# KiCad board Lime_RFE.kicad_pcb (continued)
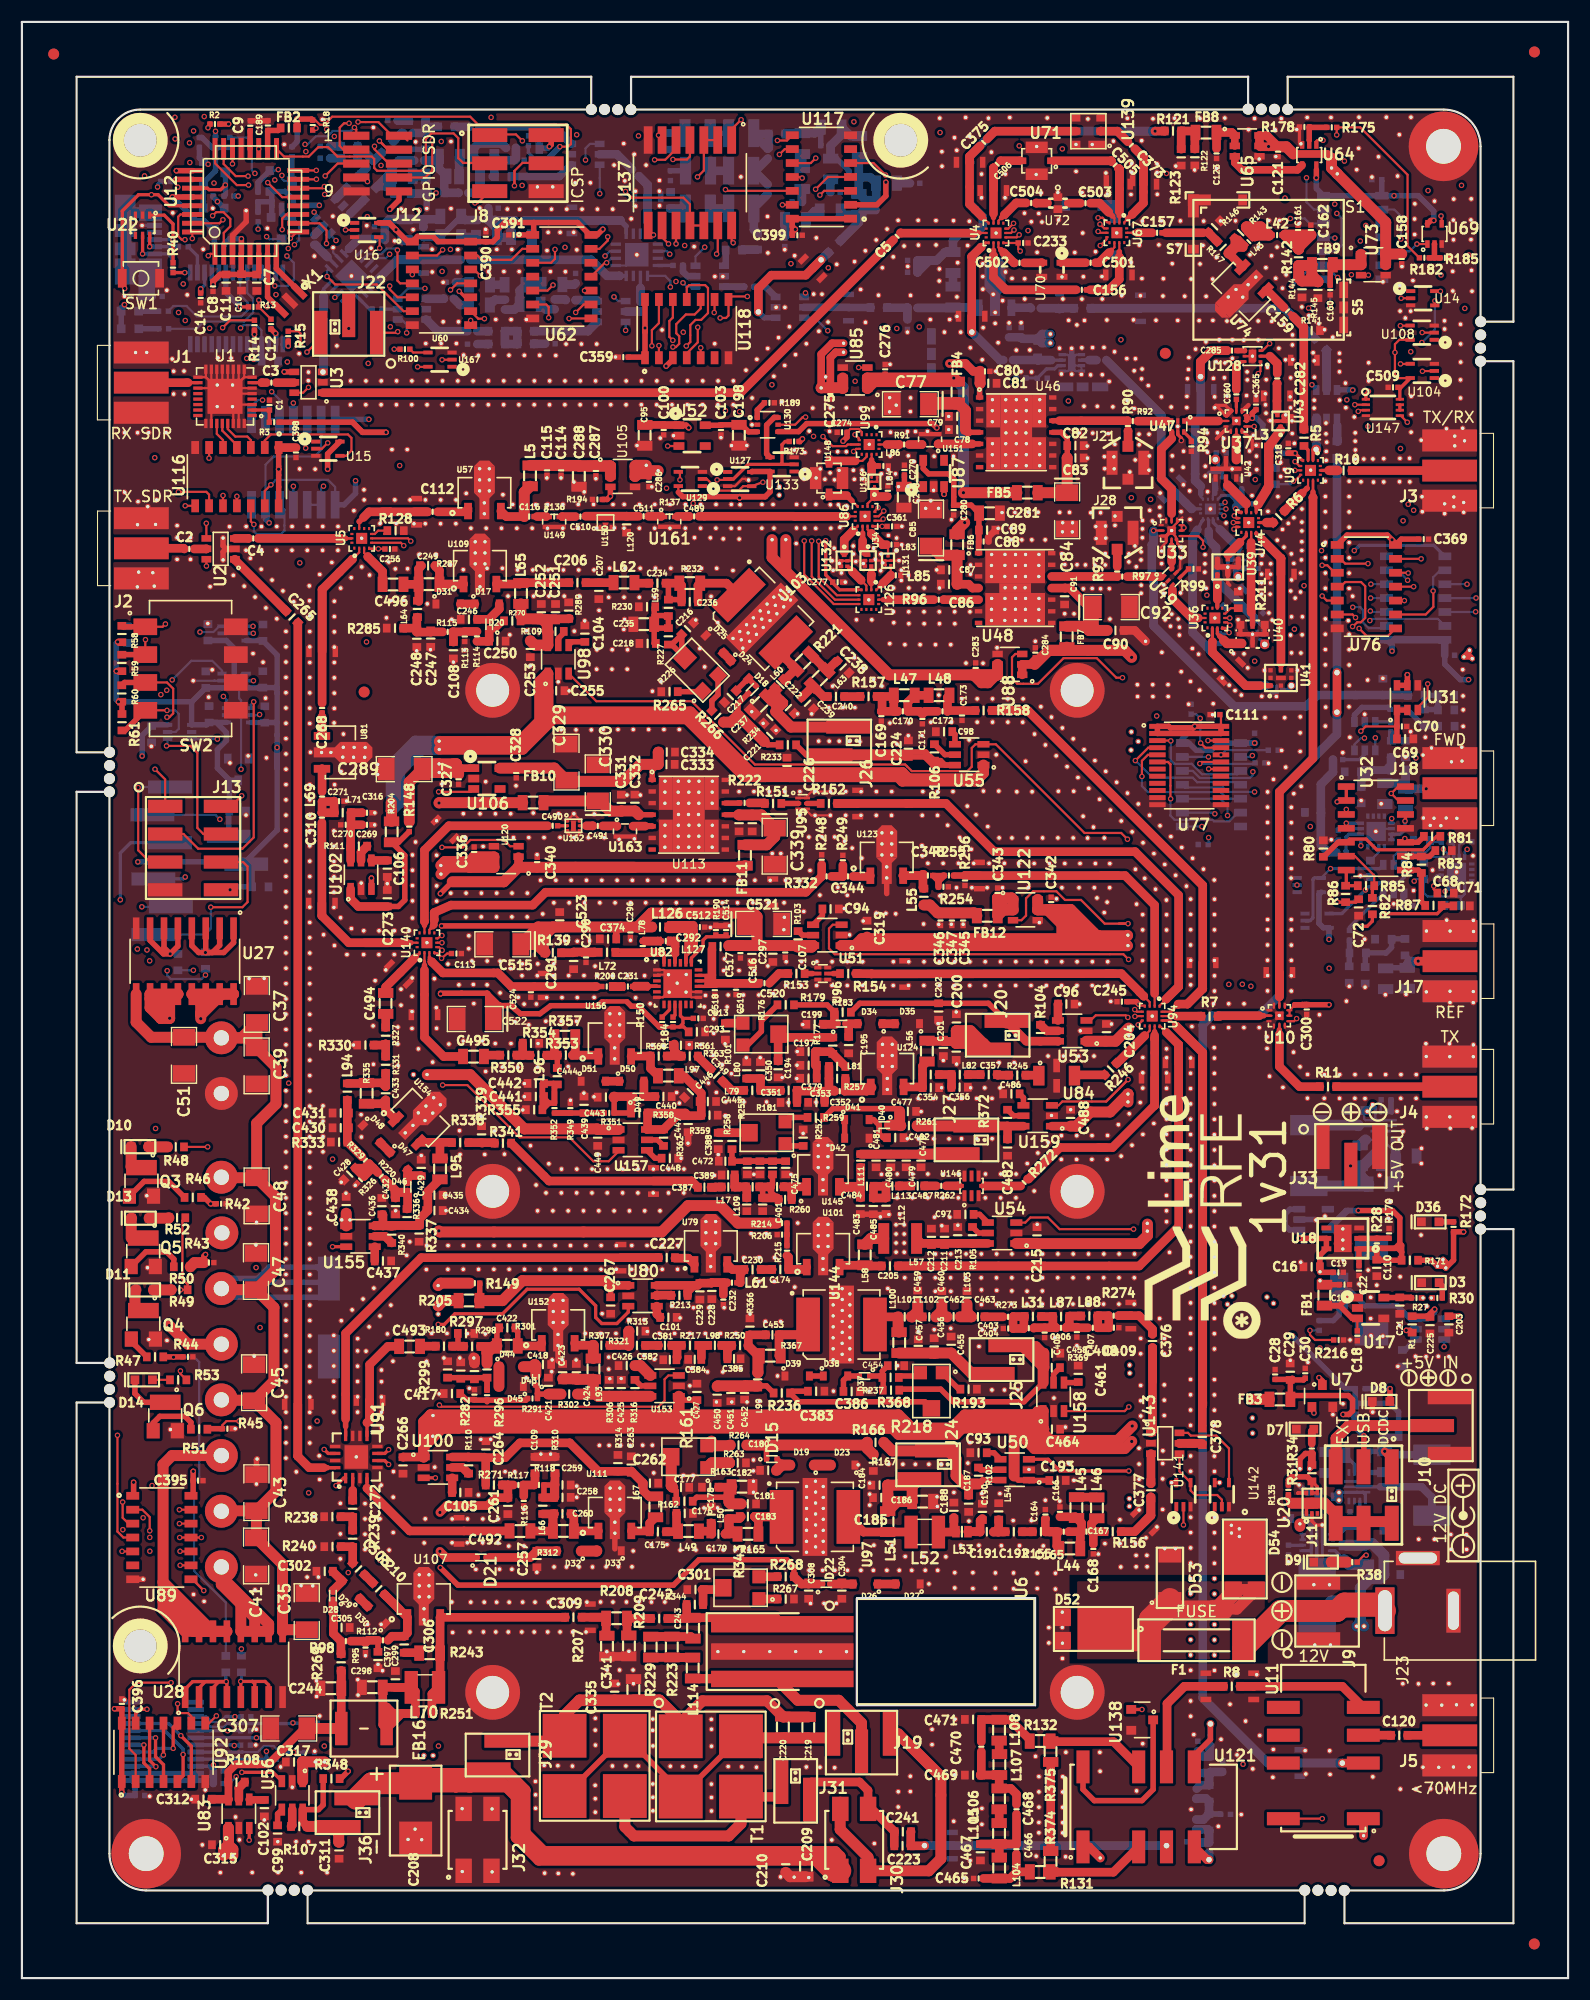
[diagram p0: board, top side]
## Placement (name value [footprint] x y rotation side) (continued)
GND_VIA#2137  VAL**  [GND_VIA]  66.45 60.6 90 top
GND_VIA#2138  VAL**  [GND_VIA]  63.38 52.57 90 top
GND_VIA#2139  VAL**  [GND_VIA]  64.77 52.57 90 top
GND_VIA#2140  VAL**  [GND_VIA]  66.17 52.57 90 top
GND_VIA#2141  VAL**  [GND_VIA]  67.3 52.63 90 top
GND_VIA#2142  VAL**  [GND_VIA]  60.95 54.05 90 top
GND_VIA#2143  VAL**  [GND_VIA]  63.96 55.32 90 top
GND_VIA#2144  VAL**  [GND_VIA]  62.56 55.32 90 top
GND_VIA#2145  VAL**  [GND_VIA]  53.65 54.7 90 top
GND_VIA#2146  VAL**  [GND_VIA]  54.68 54.71 90 top
GND_VIA#2147  VAL**  [GND_VIA]  68.95 54.95 180 top
GND_VIA#2148  VAL**  [GND_VIA]  81.79 59.01 90 top
GND_VIA#2149  VAL**  [GND_VIA]  69.24 59.92 90 top
GND_VIA#2150  VAL**  [GND_VIA]  67.84 59.92 90 top
GND_VIA#2151  VAL**  [GND_VIA]  83.95 68.65 90 top
GND_VIA#2152  VAL**  [GND_VIA]  83.28 69.44 90 top
GND_VIA#2153  VAL**  [GND_VIA]  84.68 69.44 90 top
GND_VIA#2154  VAL**  [GND_VIA]  78.34 69.47 90 top
GND_VIA#2155  VAL**  [GND_VIA]  80.09 69.69 90 top
GND_VIA#2156  VAL**  [GND_VIA]  79.12 69.68 90 top
GND_VIA#2157  VAL**  [GND_VIA]  67.93 67.93 90 top
GND_VIA#2158  VAL**  [GND_VIA]  66.53 67.93 90 top
GND_VIA#2159  VAL**  [GND_VIA]  70.8 68.9 90 top
GND_VIA#2160  VAL**  [GND_VIA]  82.14 113.39 0 top
GND_VIA#2161  VAL**  [GND_VIA]  80.89 113.38 0 top
GND_VIA#2162  VAL**  [GND_VIA]  54.99 123.99 90 top
GND_VIA#2163  VAL**  [GND_VIA]  54.92 123.07 90 top
GND_VIA#2164  VAL**  [GND_VIA]  52.67 124.81 90 top
GND_VIA#2165  VAL**  [GND_VIA]  74.33 34.19 90 top
GND_VIA#2166  VAL**  [GND_VIA]  73.2 34.2 90 top
GND_VIA#2167  VAL**  [GND_VIA]  71.97 34.19 90 top
GND_VIA#2168  VAL**  [GND_VIA]  41.42 37.29 90 top
GND_VIA#2169  VAL**  [GND_VIA]  44.72 37.31 90 top
GND_VIA#2170  VAL**  [GND_VIA]  43.59 37.31 90 top
GND_VIA#2171  VAL**  [GND_VIA]  83.51 43.93 180 top
GND_VIA#2172  VAL**  [GND_VIA]  83.54 43.04 180 top
GND_VIA#2173  VAL**  [GND_VIA]  78.44 73.34 90 top
GND_VIA#2174  VAL**  [GND_VIA]  64.18 78.71 90 top
GND_VIA#2175  VAL**  [GND_VIA]  83.48 128.51 90 top
GND_VIA#2176  VAL**  [GND_VIA]  80.29 130.8 90 top
GND_VIA#2177  VAL**  [GND_VIA]  80.3 132.48 90 top
GND_VIA#2178  VAL**  [GND_VIA]  83.64 134.12 90 top
GND_VIA#2179  VAL**  [GND_VIA]  82.47 134.12 90 top
GND_VIA#2180  VAL**  [GND_VIA]  81.76 134.8 90 top
GND_VIA#2181  VAL**  [GND_VIA]  82.94 134.8 90 top
GND_VIA#2182  VAL**  [GND_VIA]  84.83 133.08 90 top
GND_VIA#2183  VAL**  [GND_VIA]  89.44 133.74 90 top
GND_VIA#2184  VAL**  [GND_VIA]  90.62 133.75 90 top
GND_VIA#2185  VAL**  [GND_VIA]  90.26 132.31 90 top
GND_VIA#2186  VAL**  [GND_VIA]  89.09 132.3 90 top
GND_VIA#2187  VAL**  [GND_VIA]  95.16 124.51 90 top
GND_VIA#2188  VAL**  [GND_VIA]  99.29 124.02 90 top
GND_VIA#2189  VAL**  [GND_VIA]  86.15 120 0 top
GND_VIA#2190  VAL**  [GND_VIA]  92.48 121.99 0 top
GND_VIA#2191  VAL**  [GND_VIA]  88.99 121.4 0 top
GND_VIA#2192  VAL**  [GND_VIA]  97.21 139.8 0 top
GND_VIA#2193  VAL**  [GND_VIA]  97.23 138.7 0 top
GND_VIA#2194  VAL**  [GND_VIA]  98.03 131.37 0 top
GND_VIA#2195  VAL**  [GND_VIA]  98 132.47 0 top
GND_VIA#2196  VAL**  [GND_VIA]  99.65 138.83 0 top
GND_VIA#2197  VAL**  [GND_VIA]  99.67 137.73 0 top
GND_VIA#2198  VAL**  [GND_VIA]  57.54 117.43 90 top
GND_VIA#2199  VAL**  [GND_VIA]  58.33 118.31 90 top
GND_VIA#2200  VAL**  [GND_VIA]  55.21 107.96 0 top
GND_VIA#2201  VAL**  [GND_VIA]  56.43 107.96 0 top
GND_VIA#2202  VAL**  [GND_VIA]  51.97 113.91 90 top
GND_VIA#2203  VAL**  [GND_VIA]  50.57 113.91 90 top
GND_VIA#2204  VAL**  [GND_VIA]  49.22 113.91 90 top
GND_VIA#2205  VAL**  [GND_VIA]  45.09 108.8 90 top
GND_VIA#2206  VAL**  [GND_VIA]  42.32 109.18 90 top
GND_VIA#2207  VAL**  [GND_VIA]  38.32 108.97 90 top
GND_VIA#2208  VAL**  [GND_VIA]  49.93 117.46 90 top
GND_VIA#2209  VAL**  [GND_VIA]  73.01 104.15 90 top
GND_VIA#2210  VAL**  [GND_VIA]  75.77 103.12 90 top
GND_VIA#2211  VAL**  [GND_VIA]  85.89 96.17 90 top
GND_VIA#2212  VAL**  [GND_VIA]  84.81 96.17 90 top
GND_VIA#2213  VAL**  [GND_VIA]  83.67 96.16 90 top
GND_VIA#2214  VAL**  [GND_VIA]  82.29 96.19 90 top
GND_VIA#2215  VAL**  [GND_VIA]  75.05 97.6 90 top
GND_VIA#2216  VAL**  [GND_VIA]  75.53 95.2 90 top
GND_VIA#2217  VAL**  [GND_VIA]  69.53 95.67 90 top
GND_VIA#2218  VAL**  [GND_VIA]  84.09 83.74 90 top
GND_VIA#2219  VAL**  [GND_VIA]  85.3 83.41 90 top
GND_VIA#2220  VAL**  [GND_VIA]  85.27 88.16 90 top
GND_VIA#2221  VAL**  [GND_VIA]  83.6 87.1 90 top
GND_VIA#2222  VAL**  [GND_VIA]  85.73 80.27 90 top
GND_VIA#2223  VAL**  [GND_VIA]  87.13 80.27 90 top
GND_VIA#2224  VAL**  [GND_VIA]  88.52 80.27 90 top
GND_VIA#2225  VAL**  [GND_VIA]  84.59 80.26 90 top
GND_VIA#2226  VAL**  [GND_VIA]  83.19 80.26 90 top
GND_VIA#2227  VAL**  [GND_VIA]  81.79 80.26 90 top
GND_VIA#2228  VAL**  [GND_VIA]  83.92 81.25 90 top
GND_VIA#2229  VAL**  [GND_VIA]  86.57 81.24 90 top
GND_VIA#2230  VAL**  [GND_VIA]  82.06 79.07 90 top
GND_VIA#2231  VAL**  [GND_VIA]  80.8 76.6 90 top
GND_VIA#2232  VAL**  [GND_VIA]  99.36 89.13 90 top
GND_VIA#2233  VAL**  [GND_VIA]  96.51 88.89 90 top
GND_VIA#2234  VAL**  [GND_VIA]  90.55 83.55 90 top
GND_VIA#2235  VAL**  [GND_VIA]  89.15 83.55 90 top
GND_VIA#2236  VAL**  [GND_VIA]  87.86 81.23 90 top
GND_VIA#2237  VAL**  [GND_VIA]  89.26 81.23 90 top
GND_VIA#2238  VAL**  [GND_VIA]  92.65 68.78 90 top
GND_VIA#2239  VAL**  [GND_VIA]  85.41 68.7 90 top
GND_VIA#2240  VAL**  [GND_VIA]  57.07 59 90 top
GND_VIA#2241  VAL**  [GND_VIA]  59.34 61.33 90 top
GND_VIA#2242  VAL**  [GND_VIA]  60.06 60.24 90 top
GND_VIA#2243  VAL**  [GND_VIA]  45.82 42.76 90 top
GND_VIA#2244  VAL**  [GND_VIA]  45.82 39.42 90 top
GND_VIA#2245  VAL**  [GND_VIA]  44.43 39.42 90 top
GND_VIA#2246  VAL**  [GND_VIA]  31.55 32.28 90 top
GND_VIA#2247  VAL**  [GND_VIA]  32.79 32.28 90 top
GND_VIA#2248  VAL**  [GND_VIA]  39.3 31.54 90 top
GND_VIA#2249  VAL**  [GND_VIA]  39.22 34.32 90 top
GND_VIA#2250  VAL**  [GND_VIA]  33.51 39.06 180 top
GND_VIA#2251  VAL**  [GND_VIA]  25.47 35.81 180 top
GND_VIA#2252  VAL**  [GND_VIA]  26.54 35.79 180 top
GND_VIA#2253  VAL**  [GND_VIA]  27.05 36.6 180 top
GND_VIA#2254  VAL**  [GND_VIA]  21.33 36.79 180 top
GND_VIA#2255  VAL**  [GND_VIA]  36.48 12.63 90 top
GND_VIA#2256  VAL**  [GND_VIA]  35.24 12.65 90 top
GND_VIA#2257  VAL**  [GND_VIA]  42.9 15.43 90 top
GND_VIA#2258  VAL**  [GND_VIA]  40.18 15.46 90 top
GND_VIA#2259  VAL**  [GND_VIA]  40.18 9.72 90 top
GND_VIA#2260  VAL**  [GND_VIA]  42.91 9.69 90 top
GND_VIA#2261  VAL**  [GND_VIA]  15.47 16.32 90 top
GND_VIA#2262  VAL**  [GND_VIA]  11.66 16.59 90 top
GND_VIA#2263  VAL**  [GND_VIA]  16.74 17.16 90 top
GND_VIA#2264  VAL**  [GND_VIA]  19.5 14.7 90 top
GND_VIA#2265  VAL**  [GND_VIA]  19.85 12.61 90 top
GND_VIA#2266  VAL**  [GND_VIA]  13.56 50.06 180 top
GND_VIA#2267  VAL**  [GND_VIA]  13.24 58.19 180 top
GND_VIA#2268  VAL**  [GND_VIA]  11.4 71.4 180 top
GND_VIA#2269  VAL**  [GND_VIA]  11.46 64.83 180 top
GND_VIA#2270  VAL**  [GND_VIA]  11.58 58.27 180 top
GND_VIA#2271  VAL**  [GND_VIA]  19.46 50.14 180 top
GND_VIA#2272  VAL**  [GND_VIA]  11.06 36.39 180 top
GND_VIA#2273  VAL**  [GND_VIA]  21.4 45.09 180 top
GND_VIA#2274  VAL**  [GND_VIA]  76.78 96.46 90 top
GND_VIA#2275  VAL**  [GND_VIA]  71.25 87.01 90 top
GND_VIA#2276  VAL**  [GND_VIA]  70.71 82.09 90 top
GND_VIA#2277  VAL**  [GND_VIA]  54.41 26.83 90 top
GND_VIA#2278  VAL**  [GND_VIA]  55.8 26.87 90 top
GND_VIA#2279  VAL**  [GND_VIA]  53.37 29.79 90 top
GND_VIA#2280  VAL**  [GND_VIA]  55.39 29.81 90 top
GND_VIA#2281  VAL**  [GND_VIA]  70.17 73.34 90 top
GND_VIA#2282  VAL**  [GND_VIA]  124.43 89.74 0 top
GND_VIA#2283  VAL**  [GND_VIA]  126.31 89.77 0 top
GND_VIA#2284  VAL**  [GND_VIA]  121.13 90.5 0 top
GND_VIA#2285  VAL**  [GND_VIA]  122.57 90.43 0 top
GND_VIA#2286  VAL**  [GND_VIA]  122.53 94.8 0 top
GND_VIA#2287  VAL**  [GND_VIA]  114.95 112.03 180 top
GND_VIA#2288  VAL**  [GND_VIA]  113.76 110.86 180 top
GND_VIA#2289  VAL**  [GND_VIA]  102.54 121.99 90 top
GND_VIA#2290  VAL**  [GND_VIA]  111.13 126.81 180 top
GND_VIA#2291  VAL**  [GND_VIA]  90.09 151.05 180 top
GND_VIA#2292  VAL**  [GND_VIA]  91.18 151.06 180 top
GND_VIA#2293  VAL**  [GND_VIA]  47.9 136.9 90 top
GND_VIA#2294  VAL**  [GND_VIA]  49.2 136.9 90 top
GND_VIA#2295  VAL**  [GND_VIA]  52.38 136.83 90 top
GND_VIA#2296  VAL**  [GND_VIA]  50.37 136.52 90 top
GND_VIA#2297  VAL**  [GND_VIA]  51.31 135.62 90 top
GND_VIA#2298  VAL**  [GND_VIA]  79.22 147.26 0 top
GND_VIA#2299  VAL**  [GND_VIA]  63.79 140.58 90 top
GND_VIA#2300  VAL**  [GND_VIA]  64.76 139.85 90 top
GND_VIA#2301  VAL**  [GND_VIA]  66.15 139.86 90 top
GND_VIA#2302  VAL**  [GND_VIA]  66.62 141.75 90 top
GND_VIA#2303  VAL**  [GND_VIA]  58.25 140.53 90 top
GND_VIA#2304  VAL**  [GND_VIA]  59.46 140.76 90 top
GND_VIA#2305  VAL**  [GND_VIA]  56.13 139.85 90 top
GND_VIA#2306  VAL**  [GND_VIA]  69.34 143.83 180 top
GND_VIA#2307  VAL**  [GND_VIA]  76.53 143.27 180 top
GND_VIA#2308  VAL**  [GND_VIA]  60.78 76.18 90 top
GND_VIA#2309  VAL**  [GND_VIA]  60.15 74.81 90 top
GND_VIA#2310  VAL**  [GND_VIA]  59.74 80.81 90 top
GND_VIA#2311  VAL**  [GND_VIA]  36.44 75.06 90 top
GND_VIA#2312  VAL**  [GND_VIA]  38.69 71.45 90 top
GND_VIA#2313  VAL**  [GND_VIA]  34.1 70.02 90 top
GND_VIA#2314  VAL**  [GND_VIA]  29.14 72.63 90 top
GND_VIA#2315  VAL**  [GND_VIA]  30.42 72.34 90 top
GND_VIA#2316  VAL**  [GND_VIA]  29.57 71.62 90 top
GND_VIA#2317  VAL**  [GND_VIA]  75.14 127.39 90 top
GND_VIA#2318  VAL**  [GND_VIA]  104.29 39.19 90 top
GND_VIA#2319  VAL**  [GND_VIA]  105.26 39.19 90 top
GND_VIA#2320  VAL**  [GND_VIA]  98.23 38.69 90 top
GND_VIA#2321  VAL**  [GND_VIA]  30.25 85.15 180 top
GND_VIA#2322  VAL**  [GND_VIA]  34.31 85.24 180 top
GND_VIA#2323  VAL**  [GND_VIA]  34.31 86.78 180 top
GND_VIA#2324  VAL**  [GND_VIA]  34.32 83.27 180 top
GND_VIA#2325  VAL**  [GND_VIA]  32.08 83.39 180 top
GND_VIA#2326  VAL**  [GND_VIA]  32.05 86.89 180 top
GND_VIA#2327  VAL**  [GND_VIA]  34.59 88.78 180 top
GND_VIA#2328  VAL**  [GND_VIA]  50.48 163.83 90 top
GND_VIA#2329  VAL**  [GND_VIA]  51.88 163.83 90 top
GND_VIA#2330  VAL**  [GND_VIA]  20.45 106.13 180 top
GND_VIA#2331  VAL**  [GND_VIA]  18.98 110.89 180 top
GND_VIA#2332  VAL**  [GND_VIA]  11.81 112.4 180 top
GND_VIA#2333  VAL**  [GND_VIA]  20.65 111.53 180 top
GND_VIA#2334  VAL**  [GND_VIA]  61.49 123.93 180 top
GND_VIA#2335  VAL**  [GND_VIA]  28.53 108.91 180 top
GND_VIA#2336  VAL**  [GND_VIA]  29.63 107.42 180 top
GND_VIA#2337  VAL**  [GND_VIA]  32.46 109.84 180 top
GND_VIA#2338  VAL**  [GND_VIA]  32.47 110.76 180 top
GND_VIA#2339  VAL**  [GND_VIA]  32.2 106.34 180 top
GND_VIA#2340  VAL**  [GND_VIA]  32.19 105.24 180 top
GND_VIA#2341  VAL**  [GND_VIA]  30.96 99.92 180 top
GND_VIA#2342  VAL**  [GND_VIA]  20.73 91.2 180 top
GND_VIA#2343  VAL**  [GND_VIA]  22.11 91.22 180 top
GND_VIA#2344  VAL**  [GND_VIA]  21.42 68.98 180 top
GND_VIA#2345  VAL**  [GND_VIA]  21.35 66.89 180 top
GND_VIA#2346  VAL**  [GND_VIA]  21.19 56.74 180 top
GND_VIA#2347  VAL**  [GND_VIA]  24.67 17.42 90 top
GND_VIA#2348  VAL**  [GND_VIA]  22.12 14.43 90 top
GND_VIA#2349  VAL**  [GND_VIA]  87.6 15.48 90 top
GND_VIA#2350  VAL**  [GND_VIA]  87.6 14.03 90 top
GND_VIA#2351  VAL**  [GND_VIA]  40.27 128.53 90 top
GND_VIA#2352  VAL**  [GND_VIA]  36.25 129.92 90 top
GND_VIA#2353  VAL**  [GND_VIA]  37.8 129.91 90 top
GND_VIA#2354  VAL**  [GND_VIA]  35.19 128.61 90 top
GND_VIA#2355  VAL**  [GND_VIA]  39.12 128.98 90 top
GND_VIA#2356  VAL**  [GND_VIA]  33.47 129.22 90 top
GND_VIA#2357  VAL**  [GND_VIA]  34.08 128.6 90 top
GND_VIA#2358  VAL**  [GND_VIA]  33.72 125.71 90 top
GND_VIA#2359  VAL**  [GND_VIA]  34.84 125.72 90 top
GND_VIA#2360  VAL**  [GND_VIA]  31.73 128.03 90 top
GND_VIA#2361  VAL**  [GND_VIA]  33.27 124.13 90 top
GND_VIA#2362  VAL**  [GND_VIA]  36.03 121.12 90 top
GND_VIA#2363  VAL**  [GND_VIA]  37.28 121.23 90 top
GND_VIA#2364  VAL**  [GND_VIA]  39.38 120.09 90 top
GND_VIA#2365  VAL**  [GND_VIA]  50.41 122.91 90 top
GND_VIA#2366  VAL**  [GND_VIA]  46.05 122.95 90 top
GND_VIA#2367  VAL**  [GND_VIA]  44.52 122.58 90 top
GND_VIA#2368  VAL**  [GND_VIA]  46.4 119.74 90 top
GND_VIA#2369  VAL**  [GND_VIA]  96.58 86.45 90 top
GND_VIA#2370  VAL**  [GND_VIA]  127.77 135.19 180 top
GND_VIA#2371  VAL**  [GND_VIA]  127.7 140.34 180 top
GND_VIA#2372  VAL**  [GND_VIA]  131.65 140.29 180 top
GND_VIA#2373  VAL**  [GND_VIA]  131.57 134.66 180 top
GND_VIA#2374  VAL**  [GND_VIA]  131.57 133.77 180 top
GND_VIA#2375  VAL**  [GND_VIA]  127.8 133.82 180 top
GND_VIA#2376  VAL**  [GND_VIA]  130 141.39 180 top
GND_VIA#2377  VAL**  [GND_VIA]  131.48 141.43 180 top
GND_VIA#2378  VAL**  [GND_VIA]  131.4 112.32 0 top
GND_VIA#2379  VAL**  [GND_VIA]  128.63 112.25 0 top
GND_VIA#2380  VAL**  [GND_VIA]  127.86 111.61 0 top
GND_VIA#2381  VAL**  [GND_VIA]  132.45 89.02 0 top
GND_VIA#2382  VAL**  [GND_VIA]  130.32 89.04 0 top
GND_VIA#2383  VAL**  [GND_VIA]  132.45 96.51 0 top
GND_VIA#2384  VAL**  [GND_VIA]  130.02 96.54 0 top
GND_VIA#2385  VAL**  [GND_VIA]  130.27 85.26 0 top
GND_VIA#2386  VAL**  [GND_VIA]  128.13 85.27 0 top
GND_VIA#2387  VAL**  [GND_VIA]  128.2 77.55 0 top
GND_VIA#2388  VAL**  [GND_VIA]  130.35 77.56 0 top
GND_VIA#2389  VAL**  [GND_VIA]  28.38 160.77 90 top
GND_VIA#2390  VAL**  [GND_VIA]  38.08 53.31 180 top
GND_VIA#2391  VAL**  [GND_VIA]  37.67 46.62 90 top
GND_VIA#2392  VAL**  [GND_VIA]  33.91 46.22 90 top
GND_VIA#2393  VAL**  [GND_VIA]  115.58 38 180 top
GND_VIA#2394  VAL**  [GND_VIA]  117.89 35.9 180 top
GND_VIA#2395  VAL**  [GND_VIA]  119.33 35.9 180 top
GND_VIA#2396  VAL**  [GND_VIA]  119.41 30.39 180 top
GND_VIA#2397  VAL**  [GND_VIA]  117.98 30.4 180 top
GND_VIA#2398  VAL**  [GND_VIA]  118.41 87.91 0 top
GND_VIA#2399  VAL**  [GND_VIA]  128.73 101.11 0 top
GND_VIA#2400  VAL**  [GND_VIA]  127 99.24 0 top
GND_VIA#2401  VAL**  [GND_VIA]  132.42 102.41 0 top
GND_VIA#2402  VAL**  [GND_VIA]  122.22 107.46 0 top
GND_VIA#2403  VAL**  [GND_VIA]  124.05 107.16 0 top
GND_VIA#2404  VAL**  [GND_VIA]  126.25 111.43 0 top
GND_VIA#2405  VAL**  [GND_VIA]  124.19 118.61 180 top
GND_VIA#2406  VAL**  [GND_VIA]  79.02 62.93 90 top
GND_VIA#2407  VAL**  [GND_VIA]  70.52 63.05 90 top
GND_VIA#2408  VAL**  [GND_VIA]  17.37 119.39 180 top
GND_VIA#2409  VAL**  [GND_VIA]  16.96 123.61 90 top
GND_VIA#2410  VAL**  [GND_VIA]  9.35 25.39 90 top
GND_VIA#2411  VAL**  [GND_VIA]  123.1 58.63 0 top
GND_VIA#2412  VAL**  [GND_VIA]  124.19 58.58 0 top
GND_VIA#2413  VAL**  [GND_VIA]  117.36 56.19 0 top
GND_VIA#2414  VAL**  [GND_VIA]  115.75 56.37 0 top
GND_VIA#2415  VAL**  [GND_VIA]  125.56 55.82 0 top
GND_VIA#2416  VAL**  [GND_VIA]  116.7 65.33 0 top
GND_VIA#2417  VAL**  [GND_VIA]  127.72 75.72 0 top
GND_VIA#2418  VAL**  [GND_VIA]  127.71 74.34 0 top
GND_VIA#2419  VAL**  [GND_VIA]  125.49 79.09 90 top
GND_VIA#2420  VAL**  [GND_VIA]  125.93 156.19 180 top
GND_VIA#2421  VAL**  [GND_VIA]  123.2 164.35 180 top
GND_VIA#2422  VAL**  [GND_VIA]  109.02 165.14 0 top
GND_VIA#2423  VAL**  [GND_VIA]  107.02 165 0 top
GND_VIA#2424  VAL**  [GND_VIA]  105.3 165.36 0 top
GND_VIA#2425  VAL**  [GND_VIA]  109.37 160.35 0 top
GND_VIA#2426  VAL**  [GND_VIA]  106.47 116.25 180 top
GND_VIA#2427  VAL**  [GND_VIA]  108.65 115.29 180 top
GND_VIA#2428  VAL**  [GND_VIA]  95.71 79.25 90 top
GND_VIA#2429  VAL**  [GND_VIA]  93.95 78.72 90 top
GND_VIA#2430  VAL**  [GND_VIA]  80.84 156.2 180 top
GND_VIA#2431  VAL**  [GND_VIA]  80.81 150.2 0 top
GND_VIA#2432  VAL**  [GND_VIA]  23.61 19.27 90 top
GND_VIA#2433  VAL**  [GND_VIA]  76.31 46.84 90 top
GND_VIA#2434  VAL**  [GND_VIA]  46.99 37.04 90 top
GND_VIA#2435  VAL**  [GND_VIA]  50.57 56.4 90 top
GND_VIA#2436  VAL**  [GND_VIA]  49.31 56.43 90 top
GND_VIA#2437  VAL**  [GND_VIA]  48.39 56.42 90 top
GND_VIA#2438  VAL**  [GND_VIA]  47.01 102.52 90 top
GND_VIA#2439  VAL**  [GND_VIA]  57.48 136.09 90 top
GND_VIA#2440  VAL**  [GND_VIA]  54.17 147.93 90 top
GND_VIA#2441  VAL**  [GND_VIA]  69.61 157.73 90 top
GND_VIA#2442  VAL**  [GND_VIA]  38.44 154.75 90 top
GND_VIA#2443  VAL**  [GND_VIA]  26.88 27.13 90 top
GND_VIA#2444  VAL**  [GND_VIA]  26.89 25.7 90 top
GND_VIA#2445  VAL**  [GND_VIA]  30.68 25.82 90 top
GND_VIA#2446  VAL**  [GND_VIA]  30.65 27.23 90 top
GND_VIA#2447  VAL**  [GND_VIA]  31.35 29.43 90 top
GND_VIA#2448  VAL**  [GND_VIA]  32.5 28.63 90 top
GND_VIA#2449  VAL**  [GND_VIA]  32.91 28.05 90 top
GND_VIA#2450  VAL**  [GND_VIA]  27.17 23.91 90 top
GND_VIA#2451  VAL**  [GND_VIA]  26.72 20.7 90 top
GND_VIA#2452  VAL**  [GND_VIA]  76.98 151.09 180 top
GND_VIA#2453  VAL**  [GND_VIA]  78.17 153.57 180 top
GND_VIA#2454  VAL**  [GND_VIA]  83.63 153.56 180 top
GND_VIA#2455  VAL**  [GND_VIA]  81.1 153.55 180 top
GND_VIA#2456  VAL**  [GND_VIA]  82.9 151.35 180 top
GND_VIA#2457  VAL**  [GND_VIA]  84.66 151.35 180 top
GND_VIA#2458  VAL**  [GND_VIA]  106.36 145.95 0 top
GND_VIA#2459  VAL**  [GND_VIA]  107.1 148.65 0 top
GND_VIA#2460  VAL**  [GND_VIA]  109.27 149.5 0 top
GND_VIA#2461  VAL**  [GND_VIA]  111.5 149.47 0 top
GND_VIA#2462  VAL**  [GND_VIA]  113.55 145.87 0 top
GND_VIA#2463  VAL**  [GND_VIA]  111.82 145.84 0 top
GND_VIA#2464  VAL**  [GND_VIA]  109.74 146.04 0 top
GND_VIA#2465  VAL**  [GND_VIA]  111.75 144.41 0 top
GND_VIA#2466  VAL**  [GND_VIA]  114.7 148.72 180 top
GND_VIA#2467  VAL**  [GND_VIA]  113.71 133.84 180 top
GND_VIA#2468  VAL**  [GND_VIA]  114.62 135.19 180 top
GND_VIA#2469  VAL**  [GND_VIA]  109.68 139.38 0 top
GND_VIA#2470  VAL**  [GND_VIA]  124.28 138.66 180 top
GND_VIA#2471  VAL**  [GND_VIA]  124.27 136.53 180 top
GND_VIA#2472  VAL**  [GND_VIA]  126.65 136.54 180 top
GND_VIA#2473  VAL**  [GND_VIA]  78.43 137.27 0 top
GND_VIA#2474  VAL**  [GND_VIA]  79.06 137.66 0 top
GND_VIA#2475  VAL**  [GND_VIA]  79.06 136.87 0 top
GND_VIA#2476  VAL**  [GND_VIA]  80.89 138.92 180 top
GND_VIA#2477  VAL**  [GND_VIA]  83.2 135.77 90 top
GND_VIA#2478  VAL**  [GND_VIA]  112.03 138.27 180 top
GND_VIA#2479  VAL**  [GND_VIA]  112.03 139.36 180 top
GND_VIA#2480  VAL**  [GND_VIA]  113.48 144.58 0 top
GND_VIA#2481  VAL**  [GND_VIA]  112.63 144.39 0 top
GND_VIA#2482  VAL**  [GND_VIA]  115.74 144.3 180 top
GND_VIA#2483  VAL**  [GND_VIA]  113.92 142.12 0 top
GND_VIA#2484  VAL**  [GND_VIA]  113.48 143.57 0 top
GND_VIA#2485  VAL**  [GND_VIA]  113.53 142.81 0 top
GND_VIA#2486  VAL**  [GND_VIA]  116.12 140.05 0 top
GND_VIA#2487  VAL**  [GND_VIA]  115.93 140.95 0 top
GND_VIA#2488  VAL**  [GND_VIA]  115.9 142.1 0 top
GND_VIA#2489  VAL**  [GND_VIA]  115.77 143.3 0 top
GND_VIA#2490  VAL**  [GND_VIA]  115.84 129.97 180 top
GND_VIA#2491  VAL**  [GND_VIA]  116.8 131.08 180 top
GND_VIA#2492  VAL**  [GND_VIA]  116.81 134.06 180 top
GND_VIA#2493  VAL**  [GND_VIA]  115.17 130.58 180 top
GND_VIA#2494  VAL**  [GND_VIA]  115.56 132.75 180 top
GND_VIA#2495  VAL**  [GND_VIA]  115.03 132.2 180 top
GND_VIA#2496  VAL**  [GND_VIA]  123.29 138.63 180 top
GND_VIA#2497  VAL**  [GND_VIA]  122.45 138.62 180 top
GND_VIA#2498  VAL**  [GND_VIA]  125.75 138.68 180 top
GND_VIA#2499  VAL**  [GND_VIA]  125.72 136.55 180 top
GND_VIA#2500  VAL**  [GND_VIA]  123.34 136.52 180 top
GND_VIA#2501  VAL**  [GND_VIA]  122.2 136.55 180 top
GND_VIA#2502  VAL**  [GND_VIA]  121.68 139.45 180 top
GND_VIA#2503  VAL**  [GND_VIA]  119 141.9 180 top
GND_VIA#2504  VAL**  [GND_VIA]  119.07 140.16 180 top
GND_VIA#2505  VAL**  [GND_VIA]  119.03 139.32 180 top
GND_VIA#2506  VAL**  [GND_VIA]  119.03 138.5 180 top
GND_VIA#2507  VAL**  [GND_VIA]  121.67 141.01 180 top
GND_VIA#2508  VAL**  [GND_VIA]  114.87 138.3 180 top
GND_VIA#2509  VAL**  [GND_VIA]  114.87 137.03 180 top
GND_VIA#2510  VAL**  [GND_VIA]  115.22 137.67 180 top
GND_VIA#2511  VAL**  [GND_VIA]  112.02 137.25 180 top
GND_VIA#2512  VAL**  [GND_VIA]  113.13 128.11 180 top
GND_VIA#2513  VAL**  [GND_VIA]  113.94 128.11 180 top
GND_VIA#2514  VAL**  [GND_VIA]  113.95 127.31 180 top
GND_VIA#2515  VAL**  [GND_VIA]  113.13 127.32 180 top
GND_VIA#2516  VAL**  [GND_VIA]  114.09 123.92 180 top
GND_VIA#2517  VAL**  [GND_VIA]  115.86 124.23 180 top
GND_VIA#2518  VAL**  [GND_VIA]  116.19 125.93 180 top
GND_VIA#2519  VAL**  [GND_VIA]  116.68 126.49 180 top
GND_VIA#2520  VAL**  [GND_VIA]  115.87 127.59 180 top
GND_VIA#2521  VAL**  [GND_VIA]  116.85 124.23 180 top
GND_VIA#2522  VAL**  [GND_VIA]  115.86 120.93 180 top
GND_VIA#2523  VAL**  [GND_VIA]  115.77 122.56 180 top
GND_VIA#2524  VAL**  [GND_VIA]  110.57 120.87 180 top
GND_VIA#2525  VAL**  [GND_VIA]  109.53 118.64 180 top
GND_VIA#2526  VAL**  [GND_VIA]  110.71 117.5 180 top
GND_VIA#2527  VAL**  [GND_VIA]  106.81 121.34 180 top
GND_VIA#2528  VAL**  [GND_VIA]  105.52 124.03 180 top
GND_VIA#2529  VAL**  [GND_VIA]  104.93 124.47 180 top
GND_VIA#2530  VAL**  [GND_VIA]  104.82 123.36 180 top
GND_VIA#2531  VAL**  [GND_VIA]  105.63 123.27 180 top
GND_VIA#2532  VAL**  [GND_VIA]  102.13 130.16 90 top
GND_VIA#2533  VAL**  [GND_VIA]  101.69 128.79 90 top
GND_VIA#2534  VAL**  [GND_VIA]  102.14 127.11 90 top
GND_VIA#2535  VAL**  [GND_VIA]  132.34 77.58 0 top
GND_VIA#2536  VAL**  [GND_VIA]  132.46 85.16 0 top
GND_VIA#2537  VAL**  [GND_VIA]  102.26 133.02 90 top
GND_VIA#2538  VAL**  [GND_VIA]  102.26 132.25 90 top
GND_VIA#2539  VAL**  [GND_VIA]  102.25 131.44 90 top
GND_VIA#2540  VAL**  [GND_VIA]  103.84 133.44 0 top
GND_VIA#2541  VAL**  [GND_VIA]  103.16 132.97 0 top
GND_VIA#2542  VAL**  [GND_VIA]  98.88 132.5 0 top
GND_VIA#2543  VAL**  [GND_VIA]  98.9 131.41 0 top
GND_VIA#2544  VAL**  [GND_VIA]  99.75 133.42 0 top
GND_VIA#2545  VAL**  [GND_VIA]  99.75 132.57 0 top
GND_VIA#2546  VAL**  [GND_VIA]  95.87 132.81 90 top
GND_VIA#2547  VAL**  [GND_VIA]  94.97 132.81 90 top
GND_VIA#2548  VAL**  [GND_VIA]  96.86 126.78 90 top
GND_VIA#2549  VAL**  [GND_VIA]  98.44 126.79 90 top
GND_VIA#2550  VAL**  [GND_VIA]  97.05 128.96 90 top
GND_VIA#2551  VAL**  [GND_VIA]  98.87 130 90 top
GND_VIA#2552  VAL**  [GND_VIA]  101.02 129.97 90 top
GND_VIA#2553  VAL**  [GND_VIA]  101.01 129.23 90 top
GND_VIA#2554  VAL**  [GND_VIA]  101.57 130.69 90 top
GND_VIA#2555  VAL**  [GND_VIA]  104.2 127.14 90 top
GND_VIA#2556  VAL**  [GND_VIA]  107.96 129.06 90 top
GND_VIA#2557  VAL**  [GND_VIA]  108.08 126.83 90 top
GND_VIA#2558  VAL**  [GND_VIA]  102.92 133.94 90 top
GND_VIA#2559  VAL**  [GND_VIA]  96.01 124.5 90 top
GND_VIA#2560  VAL**  [GND_VIA]  76.16 123.95 90 top
GND_VIA#2561  VAL**  [GND_VIA]  77.56 123.95 90 top
GND_VIA#2562  VAL**  [GND_VIA]  79.56 123.69 90 top
GND_VIA#2563  VAL**  [GND_VIA]  85.13 123.6 90 top
GND_VIA#2564  VAL**  [GND_VIA]  80.94 123.6 90 top
GND_VIA#2565  VAL**  [GND_VIA]  83.73 123.6 90 top
GND_VIA#2566  VAL**  [GND_VIA]  82.34 123.6 90 top
GND_VIA#2567  VAL**  [GND_VIA]  81.97 121.69 90 top
GND_VIA#2568  VAL**  [GND_VIA]  83.37 121.69 90 top
GND_VIA#2569  VAL**  [GND_VIA]  80.57 121.69 90 top
GND_VIA#2570  VAL**  [GND_VIA]  84.76 121.69 90 top
GND_VIA#2571  VAL**  [GND_VIA]  79.2 121.78 90 top
GND_VIA#2572  VAL**  [GND_VIA]  86.57 128.95 90 top
GND_VIA#2573  VAL**  [GND_VIA]  86.57 128.11 90 top
GND_VIA#2574  VAL**  [GND_VIA]  80.25 128.48 90 top
GND_VIA#2575  VAL**  [GND_VIA]  80.25 127.54 90 top
GND_VIA#2576  VAL**  [GND_VIA]  79.82 131.41 90 top
GND_VIA#2577  VAL**  [GND_VIA]  79.78 130.26 90 top
GND_VIA#2578  VAL**  [GND_VIA]  77.73 130.47 90 top
GND_VIA#2579  VAL**  [GND_VIA]  75.89 129.96 90 top
GND_VIA#2580  VAL**  [GND_VIA]  74.59 129.1 90 top
GND_VIA#2581  VAL**  [GND_VIA]  76.79 129.09 90 top
GND_VIA#2582  VAL**  [GND_VIA]  78.57 129.15 90 top
GND_VIA#2583  VAL**  [GND_VIA]  78.38 129.94 0 top
GND_VIA#2584  VAL**  [GND_VIA]  78.37 128.43 0 top
GND_VIA#2585  VAL**  [GND_VIA]  74.02 128.47 90 top
GND_VIA#2586  VAL**  [GND_VIA]  74.78 128.23 90 top
GND_VIA#2587  VAL**  [GND_VIA]  74.12 130.48 90 top
GND_VIA#2588  VAL**  [GND_VIA]  73.82 132.31 90 top
GND_VIA#2589  VAL**  [GND_VIA]  68.55 134.47 90 top
GND_VIA#2590  VAL**  [GND_VIA]  68.63 132.31 90 top
GND_VIA#2591  VAL**  [GND_VIA]  61.37 131.45 90 top
GND_VIA#2592  VAL**  [GND_VIA]  62.83 131.43 90 top
GND_VIA#2593  VAL**  [GND_VIA]  70.66 130.92 90 top
GND_VIA#2594  VAL**  [GND_VIA]  75.27 134.33 90 top
GND_VIA#2595  VAL**  [GND_VIA]  71.43 132.31 90 top
GND_VIA#2596  VAL**  [GND_VIA]  71.43 134.48 90 top
GND_VIA#2597  VAL**  [GND_VIA]  74.5 134.45 90 top
GND_VIA#2598  VAL**  [GND_VIA]  72.44 132.29 90 top
GND_VIA#2599  VAL**  [GND_VIA]  72.45 134.48 90 top
GND_VIA#2600  VAL**  [GND_VIA]  46.87 134.45 90 top
GND_VIA#2601  VAL**  [GND_VIA]  44.78 134.48 90 top
GND_VIA#2602  VAL**  [GND_VIA]  95.17 128.99 90 top
GND_VIA#2603  VAL**  [GND_VIA]  94.89 129.98 90 top
GND_VIA#2604  VAL**  [GND_VIA]  91.25 131.25 0 top
GND_VIA#2605  VAL**  [GND_VIA]  92.16 131.25 0 top
GND_VIA#2606  VAL**  [GND_VIA]  93.38 131.25 0 top
GND_VIA#2607  VAL**  [GND_VIA]  90.28 131.25 0 top
GND_VIA#2608  VAL**  [GND_VIA]  87.71 119.98 0 top
GND_VIA#2609  VAL**  [GND_VIA]  110.46 149.5 0 top
GND_VIA#2610  VAL**  [GND_VIA]  108.05 149.32 0 top
GND_VIA#2611  VAL**  [GND_VIA]  112.83 149.49 0 top
GND_VIA#2612  VAL**  [GND_VIA]  112.81 151.22 180 top
GND_VIA#2613  VAL**  [GND_VIA]  111.23 151.2 180 top
GND_VIA#2614  VAL**  [GND_VIA]  108.68 151.27 180 top
GND_VIA#2615  VAL**  [GND_VIA]  109.97 151.22 180 top
GND_VIA#2616  VAL**  [GND_VIA]  115.95 149.95 180 top
GND_VIA#2617  VAL**  [GND_VIA]  118.35 150.96 180 top